# Altium PCB NURIP.PcbDoc (part 9 of 14)
Units mil, origin at the board's own origin, x right, y up, seen from the top; angles counter-clockwise.
Board outline 7096.64 x 6702.94 mil, 6 copper layers (L1, L2, L3, L4, L5, L6), stack 48.469 mil thick; 305 components, 426 nets, 2172 pads, 1040 vias.
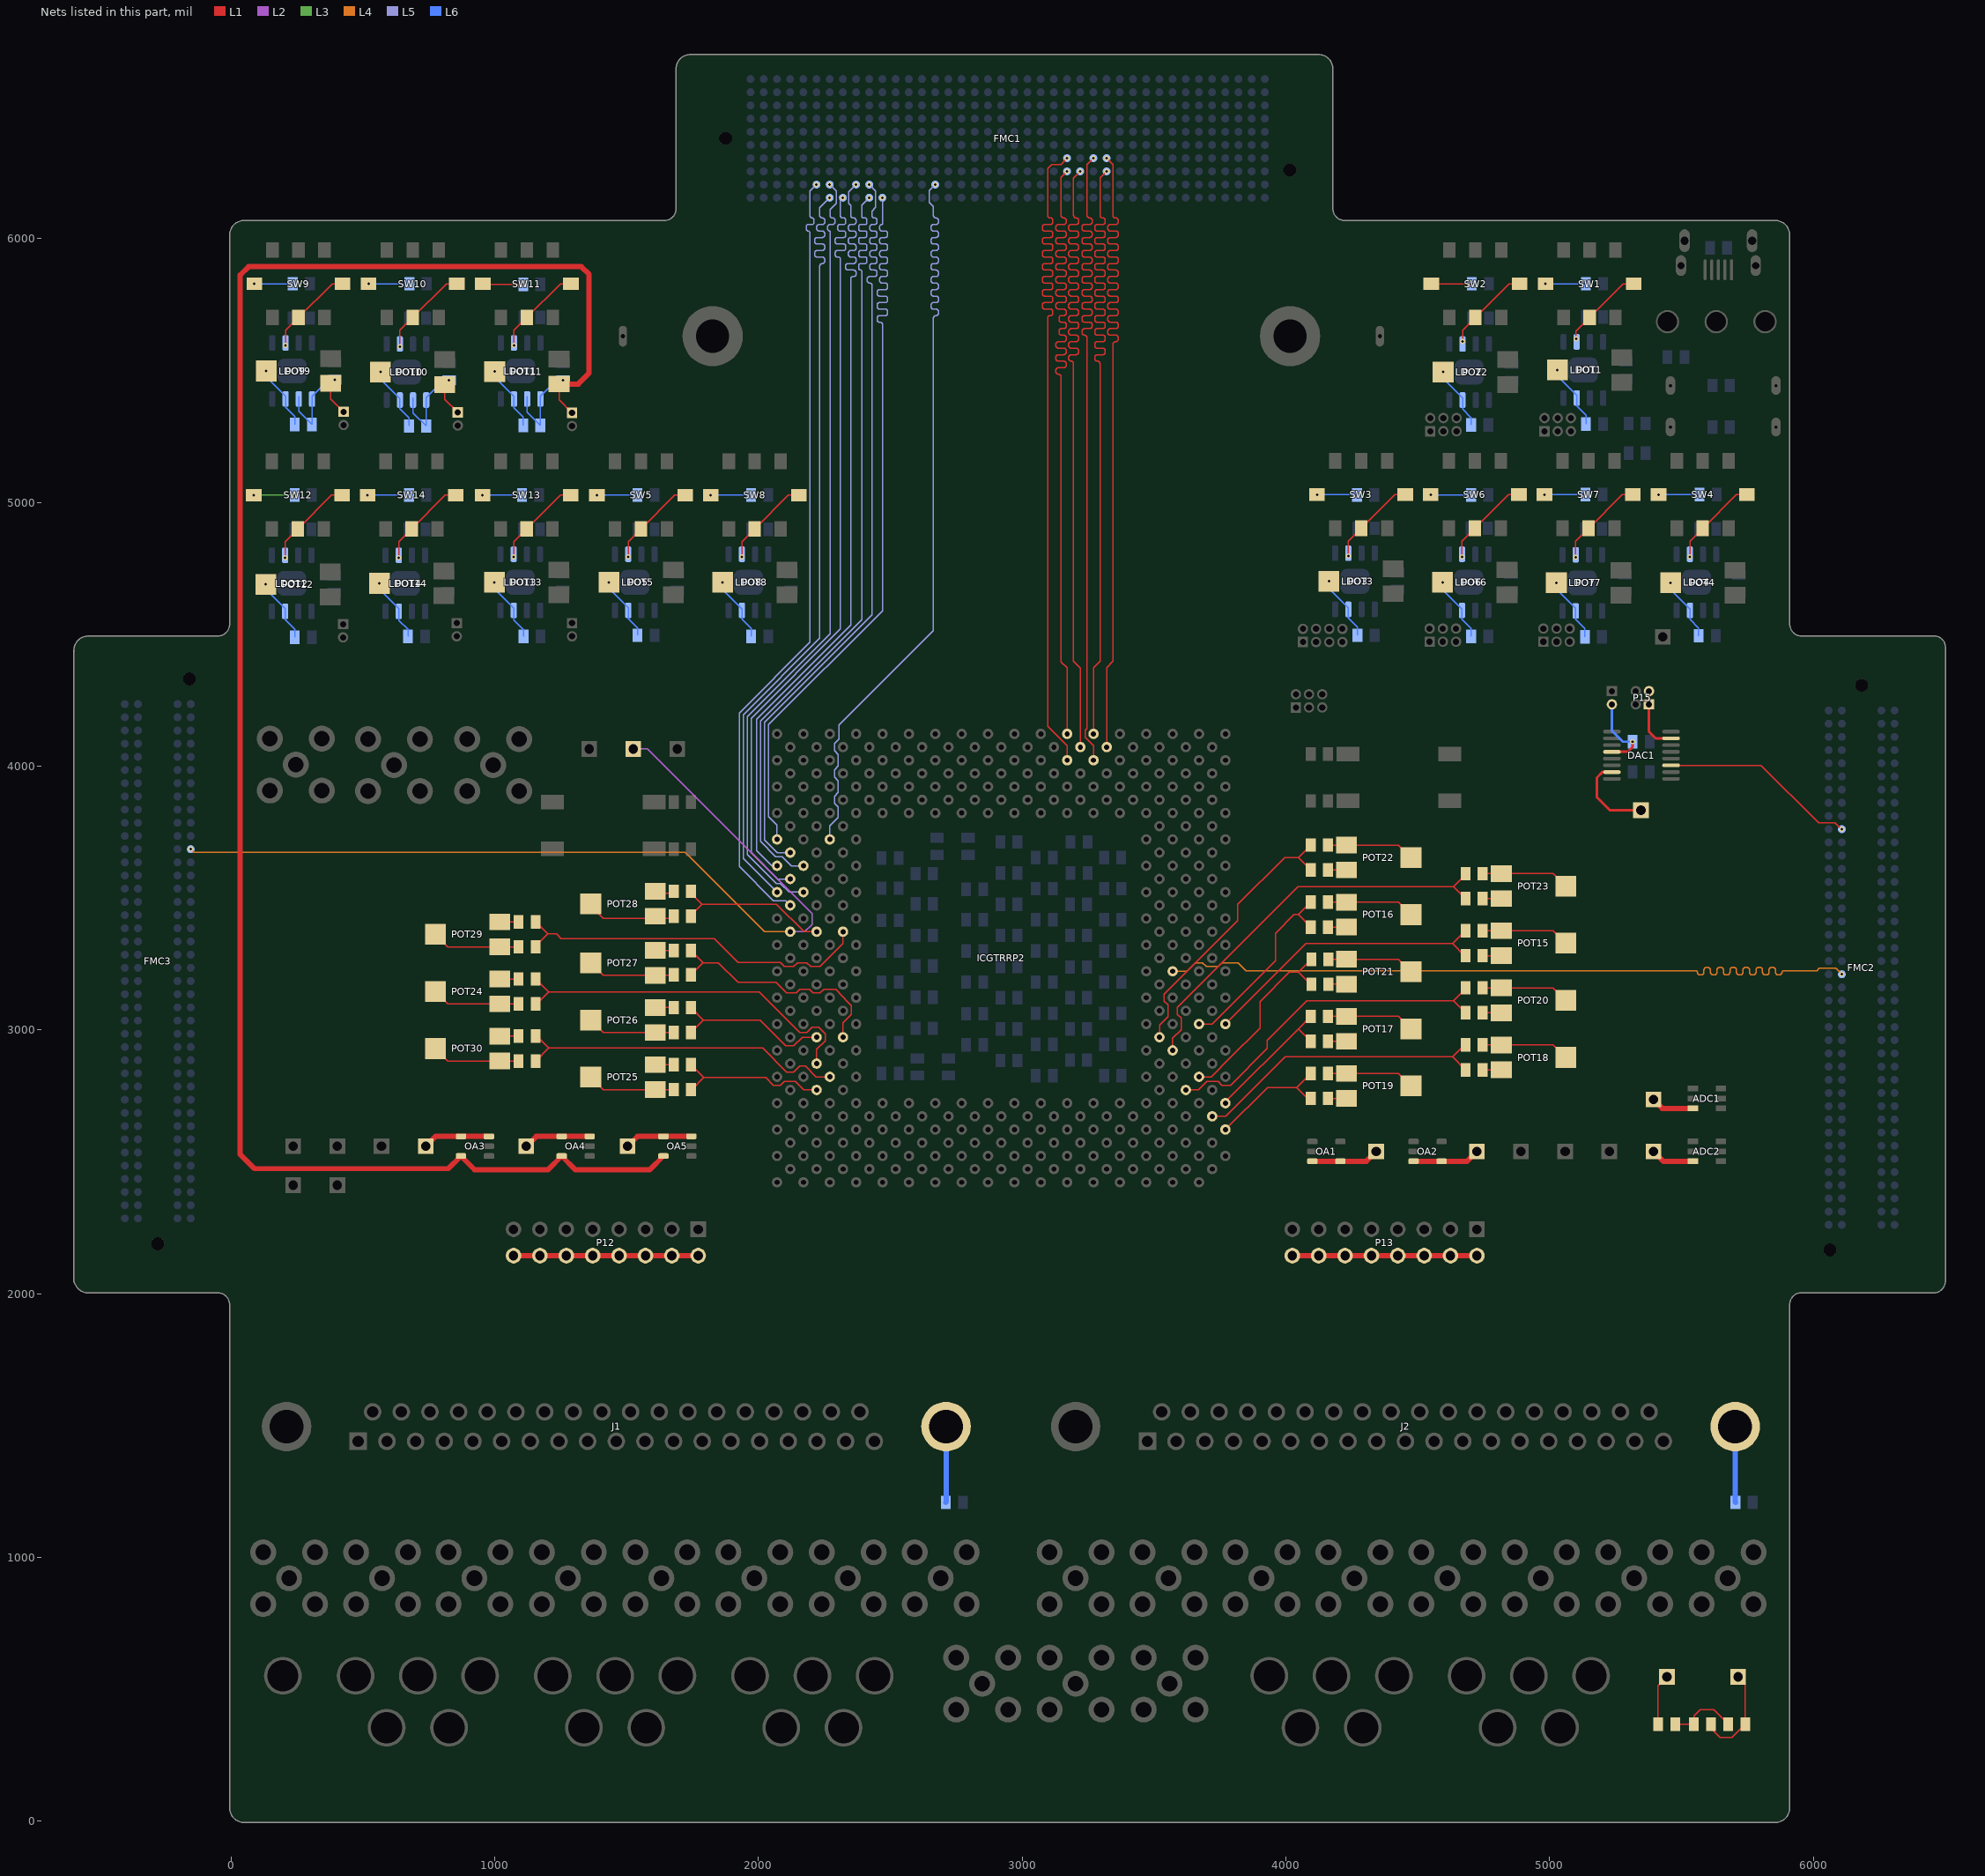
[diagram p13: the nets of this part, all layers, seen from the top]

## Via types
v1: diameter 20, hole 10, L1 to L6, tented both sides, 908 vias
v2: diameter 19.68, hole 7.87, L1 to L6, 126 vias
v3: diameter 196.85, hole 118.11, L1 to L6, 6 vias

## Nets (pads, with @x,y where several pads share a name; then routed paths per layer and width w, separated by ;. In a path a pad name is that pad's centre, name@x,y a point inside that pad or via, vN(x,y) a via of type N, cw(c..) or ccw(c..) an arc to the next point about the centre after c; other vN are vias at no path point) (continued)
EXT_PER_DOUT(10): FMC1.G28 ICGTRRP2.AP10 | length 2845.5
  L1 w5: v1(3320.24,6304.92) 3344.49,6280.67 3344.49,6090.55 3344.49,6086.85 ccw(c3353.13,6086.85) 3353.13,6078.21 3355.41,6078.21 cw(c3355.41,6069.57) 3364.05,6069.57 3364.05,6062.16 cw(c3355.41,6062.16) 3355.41,6053.52 3344.49,6053.52 3333.68,6053.52 ccw(c3333.68,6044.88) 3325.04,6044.88 3325.04,6037.48 ccw(c3333.68,6037.48) 3333.68,6028.84 3344.49,6028.84 3355.41,6028.84 cw(c3355.41,6020.2) 3364.05,6020.2 3364.05,6012.79 cw(c3355.41,6012.79) 3355.41,6004.15 3344.49,6004.15 3333.68,6004.15 ccw(c3333.68,5995.51) 3325.04,5995.51 3325.04,5988.11 ccw(c3333.68,5988.11) 3333.68,5979.47 3344.49,5979.47 3355.41,5979.47 cw(c3355.41,5970.83) 3364.05,5970.83 3364.05,5963.42 cw(c3355.41,5963.42) 3355.41,5954.78 3344.49,5954.78 3333.68,5954.78 ccw(c3333.68,5946.14) 3325.04,5946.14 3325.04,5938.74 ccw(c3333.68,5938.74) 3333.68,5930.1 3344.49,5930.1 3355.41,5930.1 cw(c3355.41,5921.46) 3364.05,5921.46 3364.05,5914.05 cw(c3355.41,5914.05) 3355.41,5905.41 3344.49,5905.41 3333.68,5905.41 ccw(c3333.68,5896.77) 3325.04,5896.77 3325.04,5889.37 ccw(c3333.68,5889.37) 3333.68,5880.73 3344.49,5880.73 3355.41,5880.73 cw(c3355.41,5872.09) 3364.05,5872.09 3364.05,5864.68 cw(c3355.41,5864.68) 3355.41,5856.04 3344.49,5856.04 3333.68,5856.04 ccw(c3333.68,5847.4) 3325.04,5847.4 3325.04,5840 ccw(c3333.68,5840) 3333.68,5831.36 3344.49,5831.36 3355.41,5831.36 cw(c3355.41,5822.72) 3364.05,5822.72 3364.05,5815.31 cw(c3355.41,5815.31) 3355.41,5806.67 3344.49,5806.67 3333.68,5806.67 ccw(c3333.68,5798.03) 3325.04,5798.03 3325.04,5790.63 ccw(c3333.68,5790.63) 3333.68,5781.99 3344.49,5781.99 3355.41,5781.99 cw(c3355.41,5773.35) 3364.05,5773.35 3364.05,5765.94 cw(c3355.41,5765.94) 3355.41,5757.3 3344.49,5757.3 3333.68,5757.3 ccw(c3333.68,5748.66) 3325.04,5748.66 3325.04,5741.26 ccw(c3333.68,5741.26) 3333.68,5732.62 3344.49,5732.62 3355.41,5732.62 cw(c3355.41,5723.98) 3364.05,5723.98 3364.05,5716.57 cw(c3355.41,5716.57) 3355.41,5707.93 3344.49,5707.93 3333.68,5707.93 ccw(c3333.68,5699.29) 3325.04,5699.29 3325.04,5691.89 ccw(c3333.68,5691.89) 3333.68,5683.25 3344.49,5683.25 3355.41,5683.25 cw(c3355.41,5674.61) 3364.05,5674.61 3364.05,5667.2 cw(c3355.41,5667.2) 3355.41,5658.56 3344.49,5658.56 3333.68,5658.56 ccw(c3333.68,5649.92) 3325.04,5649.92 3325.04,5642.52 ccw(c3333.68,5642.52) 3333.68,5633.88 3344.49,5633.88 3355.41,5633.88 cw(c3355.41,5625.24) 3364.05,5625.24 3364.05,5617.83 cw(c3355.41,5617.83) 3355.41,5609.19 3353.13,5609.19 ccw(c3353.13,5600.55) 3344.49,5600.55 3344.49,5482.28 3344.49,4397.64 3320.71,4373.86 ICGTRRP2.AP10@3320.71,4072.2
EXT_PER_DOUT(11): FMC1.G27 ICGTRRP2.AN11 | length 2846.2
  L1 w5: 3236.21,5633.88 cw(c3236.21,5624.03) 3246.06,5624.03 3246.06,5450.79 3246.06,4143.08 3238.52,4135.54 3238.52,4108.87 3270.71,4076.69 ICGTRRP2.AN11@3270.71,4022.2 ; 3236.23,5633.88 3236.57,5633.88 ; 3236.59,5633.88 cw(c3236.59,5643.75) 3226.71,5643.75 3226.71,5648.69 cw(c3236.59,5648.69) 3236.59,5658.56 3246.06,5658.56 3255.54,5658.56 ccw(c3255.54,5668.44) 3265.41,5668.44 3265.41,5673.37 ccw(c3255.54,5673.37) 3255.54,5683.25 3246.06,5683.25 3236.59,5683.25 cw(c3236.59,5693.12) 3226.71,5693.12 3226.71,5698.06 cw(c3236.59,5698.06) 3236.59,5707.93 3246.06,5707.93 3255.54,5707.93 ccw(c3255.54,5717.81) 3265.41,5717.81 3265.41,5722.74 ccw(c3255.54,5722.74) 3255.54,5732.62 3246.06,5732.62 3236.59,5732.62 cw(c3236.59,5742.49) 3226.71,5742.49 3226.71,5747.43 cw(c3236.59,5747.43) 3236.59,5757.3 3246.06,5757.3 3255.54,5757.3 ccw(c3255.54,5767.18) 3265.41,5767.18 3265.41,5772.11 ccw(c3255.54,5772.11) 3255.54,5781.99 3246.06,5781.99 3236.59,5781.99 cw(c3236.59,5791.86) 3226.71,5791.86 3226.71,5796.8 cw(c3236.59,5796.8) 3236.59,5806.67 3246.06,5806.67 3255.54,5806.67 ccw(c3255.54,5816.55) 3265.41,5816.55 3265.41,5821.48 ccw(c3255.54,5821.48) 3255.54,5831.36 3246.06,5831.36 3236.59,5831.36 cw(c3236.59,5841.23) 3226.71,5841.23 3226.71,5846.17 cw(c3236.59,5846.17) 3236.59,5856.04 3246.06,5856.04 3255.54,5856.04 ccw(c3255.54,5865.92) 3265.41,5865.92 3265.41,5870.85 ccw(c3255.54,5870.85) 3255.54,5880.73 3246.06,5880.73 3236.59,5880.73 cw(c3236.59,5890.6) 3226.71,5890.6 3226.71,5895.54 cw(c3236.59,5895.54) 3236.59,5905.41 3246.06,5905.41 3255.54,5905.41 ccw(c3255.54,5915.29) 3265.41,5915.29 3265.41,5920.22 ccw(c3255.54,5920.22) 3255.54,5930.1 3246.06,5930.1 3236.59,5930.1 cw(c3236.59,5939.97) 3226.71,5939.97 3226.71,5944.91 cw(c3236.59,5944.91) 3236.59,5954.78 3246.06,5954.78 3255.54,5954.78 ccw(c3255.54,5964.66) 3265.41,5964.66 3265.41,5969.59 ccw(c3255.54,5969.59) 3255.54,5979.47 3246.06,5979.47 3236.59,5979.47 cw(c3236.59,5989.34) 3226.71,5989.34 3226.71,5994.28 cw(c3236.59,5994.28) 3236.59,6004.15 3246.06,6004.15 3255.54,6004.15 ccw(c3255.54,6014.03) 3265.41,6014.03 3265.41,6018.96 ccw(c3255.54,6018.96) 3255.54,6028.84 3246.06,6028.84 3236.59,6028.84 cw(c3236.59,6038.71) 3226.71,6038.71 3226.71,6043.65 cw(c3236.59,6043.65) 3236.59,6053.52 3246.06,6053.52 3255.92,6053.52 ccw(c3255.92,6063.4) 3265.79,6063.4 3265.79,6068.33 ccw(c3255.92,6068.33) 3255.92,6078.21 cw(c3255.92,6088.06) 3246.06,6088.06 3246.06,6090.55 3246.06,6280.75 v1(3270.24,6304.92)
EXT_PER_DOUT(12): FMC1.H28 ICGTRRP2.AR11 | length 2845.5
  L1 w5: ICGTRRP2.AR11@3270.71,4122.2 3270.71,4373.07 3295.28,4397.64 3295.28,5374.02 3295.28,5526.5 ccw(c3286.64,5526.5) 3286.64,5535.14 3284.3,5535.14 cw(c3284.3,5543.78) 3275.66,5543.78 3275.66,5551.18 cw(c3284.3,5551.18) 3284.3,5559.82 3295.28,5559.82 3306.25,5559.82 ccw(c3306.25,5568.46) 3314.89,5568.46 3314.89,5575.87 ccw(c3306.25,5575.87) 3306.25,5584.51 3295.28,5584.51 3284.3,5584.51 cw(c3284.3,5593.15) 3275.66,5593.15 3275.66,5600.55 cw(c3284.3,5600.55) 3284.3,5609.19 3295.28,5609.19 3306.25,5609.19 ccw(c3306.25,5617.83) 3314.89,5617.83 3314.89,5625.24 ccw(c3306.25,5625.24) 3306.25,5633.88 3295.28,5633.88 3284.3,5633.88 cw(c3284.3,5642.52) 3275.66,5642.52 3275.66,5649.92 cw(c3284.3,5649.92) 3284.3,5658.56 3295.28,5658.56 3306.25,5658.56 ccw(c3306.25,5667.2) 3314.89,5667.2 3314.89,5674.61 ccw(c3306.25,5674.61) 3306.25,5683.25 3295.28,5683.25 3284.3,5683.25 cw(c3284.3,5691.89) 3275.66,5691.89 3275.66,5699.29 cw(c3284.3,5699.29) 3284.3,5707.93 3295.28,5707.93 3306.25,5707.93 ccw(c3306.25,5716.57) 3314.89,5716.57 3314.89,5723.98 ccw(c3306.25,5723.98) 3306.25,5732.62 3295.28,5732.62 3284.3,5732.62 cw(c3284.3,5741.26) 3275.66,5741.26 3275.66,5748.66 cw(c3284.3,5748.66) 3284.3,5757.3 3295.28,5757.3 3306.25,5757.3 ccw(c3306.25,5765.94) 3314.89,5765.94 3314.89,5773.35 ccw(c3306.25,5773.35) 3306.25,5781.99 3295.28,5781.99 3284.3,5781.99 cw(c3284.3,5790.63) 3275.66,5790.63 3275.66,5798.03 cw(c3284.3,5798.03) 3284.3,5806.67 3295.28,5806.67 3306.25,5806.67 ccw(c3306.25,5815.31) 3314.89,5815.31 3314.89,5822.72 ccw(c3306.25,5822.72) 3306.25,5831.36 3295.28,5831.36 3284.3,5831.36 cw(c3284.3,5840) 3275.66,5840 3275.66,5847.4 cw(c3284.3,5847.4) 3284.3,5856.04 3295.28,5856.04 3306.25,5856.04 ccw(c3306.25,5864.68) 3314.89,5864.68 3314.89,5872.09 ccw(c3306.25,5872.09) 3306.25,5880.73 3295.28,5880.73 3284.3,5880.73 cw(c3284.3,5889.37) 3275.66,5889.37 3275.66,5896.77 cw(c3284.3,5896.77) 3284.3,5905.41 3295.28,5905.41 3306.25,5905.41 ccw(c3306.25,5914.05) 3314.89,5914.05 3314.89,5921.46 ccw(c3306.25,5921.46) 3306.25,5930.1 3295.28,5930.1 3284.3,5930.1 cw(c3284.3,5938.74) 3275.66,5938.74 3275.66,5946.14 cw(c3284.3,5946.14) 3284.3,5954.78 3295.28,5954.78 3306.25,5954.78 ccw(c3306.25,5963.42) 3314.89,5963.42 3314.89,5970.83 ccw(c3306.25,5970.83) 3306.25,5979.47 3295.28,5979.47 3284.3,5979.47 cw(c3284.3,5988.11) 3275.66,5988.11 3275.66,5995.51 cw(c3284.3,5995.51) 3284.3,6004.15 3295.28,6004.15 3306.25,6004.15 ccw(c3306.25,6012.79) 3314.89,6012.79 3314.89,6020.2 ccw(c3306.25,6020.2) 3306.25,6028.84 3295.28,6028.84 3284.3,6028.84 cw(c3284.3,6037.48) 3275.66,6037.48 3275.66,6044.88 cw(c3284.3,6044.88) 3284.3,6053.52 3295.28,6053.52 3306.25,6053.52 ccw(c3306.25,6062.16) 3314.89,6062.16 3314.89,6069.57 ccw(c3306.25,6069.57) 3306.25,6078.21 3303.92,6078.21 cw(c3303.92,6086.85) 3295.28,6086.85 3295.28,6090.55 3295.28,6229.96 v1(3320.24,6254.92)
EXT_PER_DOUT(13): FMC1.H26 ICGTRRP2.AP12 | length 2845.9
  L1 w5: v1(3220.24,6254.92) 3194.88,6229.57 3194.88,6090.55 3194.88,6088.06 ccw(c3204.73,6088.06) 3204.73,6078.21 cw(c3204.73,6068.33) 3214.61,6068.33 3214.61,6063.4 cw(c3204.73,6063.4) 3204.73,6053.52 3194.88,6053.52 3186.29,6053.52 ccw(c3186.29,6043.65) 3176.41,6043.65 3176.41,6038.71 ccw(c3186.29,6038.71) 3186.29,6028.84 3194.88,6028.84 3204.53,6028.84 cw(c3204.53,6018.96) 3214.4,6018.96 3214.4,6014.03 cw(c3204.53,6014.03) 3204.53,6004.15 3194.88,6004.15 3186.29,6004.15 ccw(c3186.29,5994.28) 3176.41,5994.28 3176.41,5989.34 ccw(c3186.29,5989.34) 3186.29,5979.47 3194.88,5979.47 3204.53,5979.47 cw(c3204.53,5969.59) 3214.4,5969.59 3214.4,5964.66 cw(c3204.53,5964.66) 3204.53,5954.78 3194.88,5954.78 3186.29,5954.78 ccw(c3186.29,5944.91) 3176.41,5944.91 3176.41,5939.97 ccw(c3186.29,5939.97) 3186.29,5930.1 3194.88,5930.1 3204.53,5930.1 cw(c3204.53,5920.22) 3214.4,5920.22 3214.4,5915.29 cw(c3204.53,5915.29) 3204.53,5905.41 3194.88,5905.41 3186.29,5905.41 ccw(c3186.29,5895.54) 3176.41,5895.54 3176.41,5890.6 ccw(c3186.29,5890.6) 3186.29,5880.73 3194.88,5880.73 3204.53,5880.73 cw(c3204.53,5870.85) 3214.4,5870.85 3214.4,5865.92 cw(c3204.53,5865.92) 3204.53,5856.04 3194.88,5856.04 3186.29,5856.04 ccw(c3186.29,5846.17) 3176.41,5846.17 3176.41,5841.23 ccw(c3186.29,5841.23) 3186.29,5831.36 3194.88,5831.36 3204.53,5831.36 cw(c3204.53,5821.48) 3214.4,5821.48 3214.4,5816.55 cw(c3204.53,5816.55) 3204.53,5806.67 3194.88,5806.67 3186.29,5806.67 ccw(c3186.29,5796.8) 3176.41,5796.8 3176.41,5791.86 ccw(c3186.29,5791.86) 3186.29,5781.99 3194.88,5781.99 3204.53,5781.99 cw(c3204.53,5772.11) 3214.4,5772.11 3214.4,5767.18 cw(c3204.53,5767.18) 3204.53,5757.3 3194.88,5757.3 3186.29,5757.3 ccw(c3186.29,5747.43) 3176.41,5747.43 3176.41,5742.49 ccw(c3186.29,5742.49) 3186.29,5732.62 3194.88,5732.62 3204.53,5732.62 cw(c3204.53,5722.74) 3214.4,5722.74 3214.4,5717.81 cw(c3204.53,5717.81) 3204.53,5707.93 3194.88,5707.93 3186.29,5707.93 ccw(c3186.29,5698.06) 3176.41,5698.06 3176.41,5693.12 ccw(c3186.29,5693.12) 3186.29,5683.25 3194.88,5683.25 3204.53,5683.25 cw(c3204.53,5673.37) 3214.4,5673.37 3214.4,5668.44 cw(c3204.53,5668.44) 3204.53,5658.56 3194.88,5658.56 3186.29,5658.56 ccw(c3186.29,5648.69) 3176.41,5648.69 3176.41,5643.75 ccw(c3186.29,5643.75) 3186.29,5633.88 3194.88,5633.88 3204.53,5633.88 cw(c3204.53,5624) 3214.4,5624 3214.4,5619.07 cw(c3204.53,5619.07) 3204.53,5609.19 3194.88,5609.19 3186.29,5609.19 ccw(c3186.29,5599.32) 3176.41,5599.32 3176.41,5594.38 ccw(c3186.29,5594.38) 3186.29,5584.51 3194.88,5584.51 3204.53,5584.51 cw(c3204.53,5574.63) 3214.4,5574.63 3214.4,5569.7 cw(c3204.53,5569.7) 3204.53,5559.82 3194.88,5559.82 3186.29,5559.82 ccw(c3186.29,5549.95) 3176.41,5549.95 3176.41,5545.01 ccw(c3186.29,5545.01) 3186.29,5535.14 3186.09,5535.14 cw(c3186.08,5526.34) 3194.88,5526.34 3194.88,5401.57 3194.88,4397.64 3220.71,4371.81 ICGTRRP2.AP12@3220.71,4072.2
EXT_PER_DOUT(14): FMC1.G25 ICGTRRP2.AN13 | length 2837.4
  L1 w5: v1(3170.24,6304.92) 3146.81,6281.5 3112.2,6281.5 3096.46,6265.75 3096.46,6090.55 3096.46,6086.85 ccw(c3105.1,6086.85) 3105.1,6078.21 3107.54,6078.21 cw(c3107.54,6069.57) 3116.18,6069.57 3116.18,6062.16 cw(c3107.54,6062.16) 3107.54,6053.52 3096.46,6053.52 3085.37,6053.52 ccw(c3085.37,6044.88) 3076.73,6044.88 3076.73,6037.48 ccw(c3085.37,6037.48) 3085.37,6028.84 3096.46,6028.84 3107.54,6028.84 cw(c3107.54,6020.2) 3116.18,6020.2 3116.18,6012.79 cw(c3107.54,6012.79) 3107.54,6004.15 3096.46,6004.15 3085.37,6004.15 ccw(c3085.37,5995.51) 3076.73,5995.51 3076.73,5988.11 ccw(c3085.37,5988.11) 3085.37,5979.47 3096.46,5979.47 3107.54,5979.47 cw(c3107.54,5970.83) 3116.18,5970.83 3116.18,5963.42 cw(c3107.54,5963.42) 3107.54,5954.78 3096.46,5954.78 3085.37,5954.78 ccw(c3085.37,5946.14) 3076.73,5946.14 3076.73,5938.74 ccw(c3085.37,5938.74) 3085.37,5930.1 3096.46,5930.1 3107.54,5930.1 cw(c3107.54,5921.46) 3116.18,5921.46 3116.18,5914.05 cw(c3107.54,5914.05) 3107.54,5905.41 3096.46,5905.41 3085.37,5905.41 ccw(c3085.37,5896.77) 3076.73,5896.77 3076.73,5889.37 ccw(c3085.37,5889.37) 3085.37,5880.73 3096.46,5880.73 3107.54,5880.73 cw(c3107.54,5872.09) 3116.18,5872.09 3116.18,5864.68 cw(c3107.54,5864.68) 3107.54,5856.04 3096.46,5856.04 3085.37,5856.04 ccw(c3085.37,5847.4) 3076.73,5847.4 3076.73,5840 ccw(c3085.37,5840) 3085.37,5831.36 3096.46,5831.36 3107.54,5831.36 cw(c3107.54,5822.72) 3116.18,5822.72 3116.18,5815.31 cw(c3107.54,5815.31) 3107.54,5806.67 3096.46,5806.67 3085.37,5806.67 ccw(c3085.37,5798.03) 3076.73,5798.03 3076.73,5790.63 ccw(c3085.37,5790.63) 3085.37,5781.99 3096.46,5781.99 3107.54,5781.99 cw(c3107.54,5773.35) 3116.18,5773.35 3116.18,5765.94 cw(c3107.54,5765.94) 3107.54,5757.3 3096.46,5757.3 3085.37,5757.3 ccw(c3085.37,5748.66) 3076.73,5748.66 3076.73,5741.26 ccw(c3085.37,5741.26) 3085.37,5732.62 3096.46,5732.62 3107.54,5732.62 cw(c3107.54,5723.98) 3116.18,5723.98 3116.18,5716.57 cw(c3107.54,5716.57) 3107.54,5707.93 3105.1,5707.93 ccw(c3105.1,5699.29) 3096.46,5699.29 3096.46,5641.73 3096.46,4150.94 3170.71,4076.69 ICGTRRP2.AN13@3170.71,4022.2
EXT_PER_DOUT(15): FMC1.H25 ICGTRRP2.AR13 | length 2841.4
  L1 w5: v1(3170.24,6254.92) 3147.64,6232.32 3147.64,6090.55 3147.64,6088.06 ccw(c3157.49,6088.06) 3157.49,6078.21 cw(c3157.49,6068.33) 3167.36,6068.33 3167.36,6063.4 cw(c3157.49,6063.4) 3157.49,6053.52 3147.64,6053.52 3137.78,6053.52 ccw(c3137.78,6043.65) 3127.91,6043.65 3127.91,6038.71 ccw(c3137.78,6038.71) 3137.78,6028.84 3147.64,6028.84 3157.49,6028.84 cw(c3157.49,6018.96) 3167.36,6018.96 3167.36,6014.03 cw(c3157.49,6014.03) 3157.49,6004.15 3147.64,6004.15 3137.78,6004.15 ccw(c3137.78,5994.28) 3127.91,5994.28 3127.91,5989.34 ccw(c3137.78,5989.34) 3137.78,5979.47 3147.64,5979.47 3157.49,5979.47 cw(c3157.49,5969.59) 3167.36,5969.59 3167.36,5964.66 cw(c3157.49,5964.66) 3157.49,5954.78 3147.64,5954.78 3137.78,5954.78 ccw(c3137.78,5944.91) 3127.91,5944.91 3127.91,5939.97 ccw(c3137.78,5939.97) 3137.78,5930.1 3147.64,5930.1 3157.49,5930.1 cw(c3157.49,5920.22) 3167.36,5920.22 3167.36,5915.29 cw(c3157.49,5915.29) 3157.49,5905.41 3147.64,5905.41 3137.78,5905.41 ccw(c3137.78,5895.54) 3127.91,5895.54 3127.91,5890.6 ccw(c3137.78,5890.6) 3137.78,5880.73 3147.64,5880.73 3157.49,5880.73 cw(c3157.49,5870.85) 3167.36,5870.85 3167.36,5865.92 cw(c3157.49,5865.92) 3157.49,5856.04 3147.64,5856.04 3137.78,5856.04 ccw(c3137.78,5846.17) 3127.91,5846.17 3127.91,5841.23 ccw(c3137.78,5841.23) 3137.78,5831.36 3147.64,5831.36 3157.49,5831.36 cw(c3157.49,5821.48) 3167.36,5821.48 3167.36,5816.55 cw(c3157.49,5816.55) 3157.49,5806.67 3147.64,5806.67 3137.78,5806.67 ccw(c3137.78,5796.8) 3127.91,5796.8 3127.91,5791.86 ccw(c3137.78,5791.86) 3137.78,5781.99 3147.64,5781.99 3157.49,5781.99 cw(c3157.49,5772.11) 3167.36,5772.11 3167.36,5767.18 cw(c3157.49,5767.18) 3157.49,5757.3 3147.64,5757.3 3137.78,5757.3 ccw(c3137.78,5747.43) 3127.91,5747.43 3127.91,5742.49 ccw(c3137.78,5742.49) 3137.78,5732.62 3147.64,5732.62 3157.49,5732.62 cw(c3157.49,5722.74) 3167.36,5722.74 3167.36,5717.81 cw(c3157.49,5717.81) 3157.49,5707.93 3147.64,5707.93 ccw(c3147.64,5700.82) 3140.52,5700.82 3140.52,5690.36 ccw(c3147.64,5690.36) 3147.64,5683.25 3157.49,5683.25 cw(c3157.49,5673.37) 3167.36,5673.37 3167.36,5668.44 cw(c3157.49,5668.44) 3157.49,5658.56 3147.64,5658.56 ccw(c3147.64,5651.04) 3140.11,5651.04 3140.11,5641.4 ccw(c3147.64,5641.4) 3147.64,5633.88 3157.49,5633.88 cw(c3157.49,5624) 3167.36,5624 3167.36,5619.07 cw(c3157.49,5619.07) 3157.49,5609.19 3147.64,5609.19 3137.78,5609.19 ccw(c3137.78,5599.32) 3127.91,5599.32 3127.91,5594.38 ccw(c3137.78,5594.38) 3137.78,5584.51 3147.64,5584.51 3157.49,5584.51 cw(c3157.49,5574.63) 3167.36,5574.63 3167.36,5569.7 cw(c3157.49,5569.7) 3157.49,5559.82 3147.64,5559.82 3137.78,5559.82 ccw(c3137.78,5549.95) 3127.91,5549.95 3127.91,5545.01 ccw(c3137.78,5545.01) 3137.78,5535.14 3147.64,5535.14 3157.49,5535.14 cw(c3157.49,5525.26) 3167.36,5525.26 3167.36,5520.33 cw(c3157.49,5520.33) 3157.49,5510.45 3147.64,5510.45 3137.78,5510.45 ccw(c3137.78,5500.58) 3127.91,5500.58 3127.91,5495.64 ccw(c3137.78,5495.64) 3137.78,5485.77 cw(c3137.78,5475.92) 3147.64,5475.92 3147.64,5383.86 3147.64,4395.67 3170.71,4372.6 ICGTRRP2.AR13@3170.71,4122.2
I_b_A: C108.1 ICGTRRP2.H4 R20.1 | length 1317.5
  L1 w5: ICGTRRP2.H4@3620.71,2772.2 3667.87,2772.2 3700.06,2804.39 3743.01,2804.39 3757.38,2790.02 3790.02,2790.02 3929.13,2929.13 3929.13,2960.63 4078.74,3110.24 4635.83,3110.24 ; C108.1@4681.1,3064.96 4635.83,3110.24 ; R20.1@4681.1,3159.45 4681.1,3155.51 4635.83,3110.24
I_b_D: C118.1 ICGTRRP2.J31 R30.1 | length 1267.8
  L1 w5: R30.1@1155.51,2881.89 1204.72,2931.1 ; C118.1@1155.51,2976.38 1159.45,2976.38 1204.72,2931.1 ; ICGTRRP2.J31@2270.71,2822.2 2219.13,2822.2 2178.15,2863.19 2157.21,2863.19 2134.04,2840.02 2107.38,2840.02 2016.29,2931.1 1204.72,2931.1
I_DWN1: C114.1 ICGTRRP2.M32 R26.1 | length 616.7
  L1 w5: R26.1@1744.09,2990.16 1791.34,3037.4 ; C114.1@1744.09,3084.65 1791.34,3037.4 ; ICGTRRP2.M32@2220.71,2972.2 2166.23,2972.2 2134.04,2940.02 2103.29,2940.02 2005.91,3037.4 1791.34,3037.4
I_DWN2: C112.1 ICGTRRP2.K32 R24.1 | length 1394.3
  L1 w5: R24.1@1155.51,3098.43 1159.45,3098.43 1204.72,3143.7 ; C112.1@1155.51,3192.91 1204.72,3143.7 ; ICGTRRP2.K32@2220.71,2872.2 2220.71,2926.69 2252.89,2958.87 2252.89,2985.54 2228.59,3009.84 2203.86,3009.84 2184.04,2990.02 2157.38,2990.02 2003.7,3143.7 1204.72,3143.7
I_DWN_A: C111.1 ICGTRRP2.L5 R23.1 | length 1551.5
  L1 w5: ICGTRRP2.L5@3570.71,2922.2 3570.71,2968.35 3602.89,3000.53 3602.89,3044.5 3588.52,3058.87 3588.52,3085.54 4046.29,3543.31 4635.83,3543.31 ; C111.1@4681.1,3498.03 4635.83,3543.31 ; R23.1@4681.1,3592.52 4681.1,3588.58 4635.83,3543.31
I_DWN_B: C106.1 ICGTRRP2.F2 R18.1 | length 1142.1
  L1 w5: ICGTRRP2.F2@3720.71,2672.2 3772.6,2672.2 3998.03,2897.64 4631.89,2897.64 ; C106.1@4681.1,2848.43 4631.89,2897.64 ; R18.1@4681.1,2942.91 4677.17,2942.91 4631.89,2897.64
I_DWN_C: C104.1 ICGTRRP2.N3 R16.1 | length 743.4
  L1 w5: ICGTRRP2.N3@3670.71,3022.2 3721.02,3022.2 3960.4,3261.58 3960.4,3366.38 4031.03,3437.01 4047.24,3437.01 ; C104.1@4094.49,3389.76 4047.24,3437.01 ; R16.1@4094.49,3484.25 4047.24,3437.01
I_n: C117.1 ICGTRRP2.Y30 R29.1 | length 1396.7
  L1 w5: R29.1@1155.51,3314.96 1155.51,3318.9 1200.79,3364.17 ; C117.1@1155.51,3409.45 1200.79,3364.17 ; ICGTRRP2.Y30@2320.71,3372.2 2320.71,3326.69 2234.04,3240.02 2198.41,3240.02 2184.04,3254.39 2148.41,3254.39 2134.04,3240.02 2098.41,3240.02 2082.68,3255.75 1923.38,3255.75 1832.68,3346.46 1251.97,3346.46 1234.25,3364.17 1200.79,3364.17
I_n_B: C105.1 ICGTRRP2.G1 R17.1 | length 529.9
  L1 w5: ICGTRRP2.G1@3770.71,2722.2 3770.71,2727.4 4047.24,3003.94 ; C105.1@4094.49,2956.69 4047.24,3003.94 ; R17.1@4094.49,3051.18 4047.24,3003.94
I_p: C116.1 ICGTRRP2.Y32 R28.1 | length 585.4
  L1 w5: C116.1@1744.09,3517.72 1785.43,3476.38 ; R28.1@1753.94,3440.94 1753.94,3444.88 1785.43,3476.38 ; ICGTRRP2.Y32@2220.71,3372.2 2173.07,3372.2 2068.9,3476.38 1785.43,3476.38
I_p_B: C109.1 ICGTRRP2.J3 R21.1 | length 737
  L1 w5: ICGTRRP2.J3@3670.71,2822.2 3716.23,2822.2 3752.89,2858.87 3752.89,2859.19 3783.72,2890.02 3784.04,2890.02 3901.57,3007.55 3901.57,3107.55 4012.52,3218.5 4047.24,3218.5 ; C109.1@4096.46,3173.23 4092.52,3173.23 4047.24,3218.5 ; R21.1@4096.46,3267.72 4047.24,3218.5
I_UP1: C115.1 ICGTRRP2.M30 R27.1 | length 922.4
  L1 w5: R27.1@1744.09,3208.66 1789.82,3254.39 1790.89,3254.39 ; C115.1@1744.09,3301.18 1790.89,3254.39 ; ICGTRRP2.M30@2320.71,2972.2 2320.71,3026.69 2352.89,3058.87 2352.89,3092.5 2305.37,3140.02 2307.38,3140.02 2293.01,3154.39 2248.41,3154.39 2234.04,3140.02 2207.38,3140.02 2193.01,3154.39 2157.38,3154.39 2143.01,3140.02 2107.38,3140.02 2066.93,3180.47 1922.35,3180.47 1848.43,3254.39 1790.89,3254.39